# KiCad board kim-1.kicad_pcb (continued)
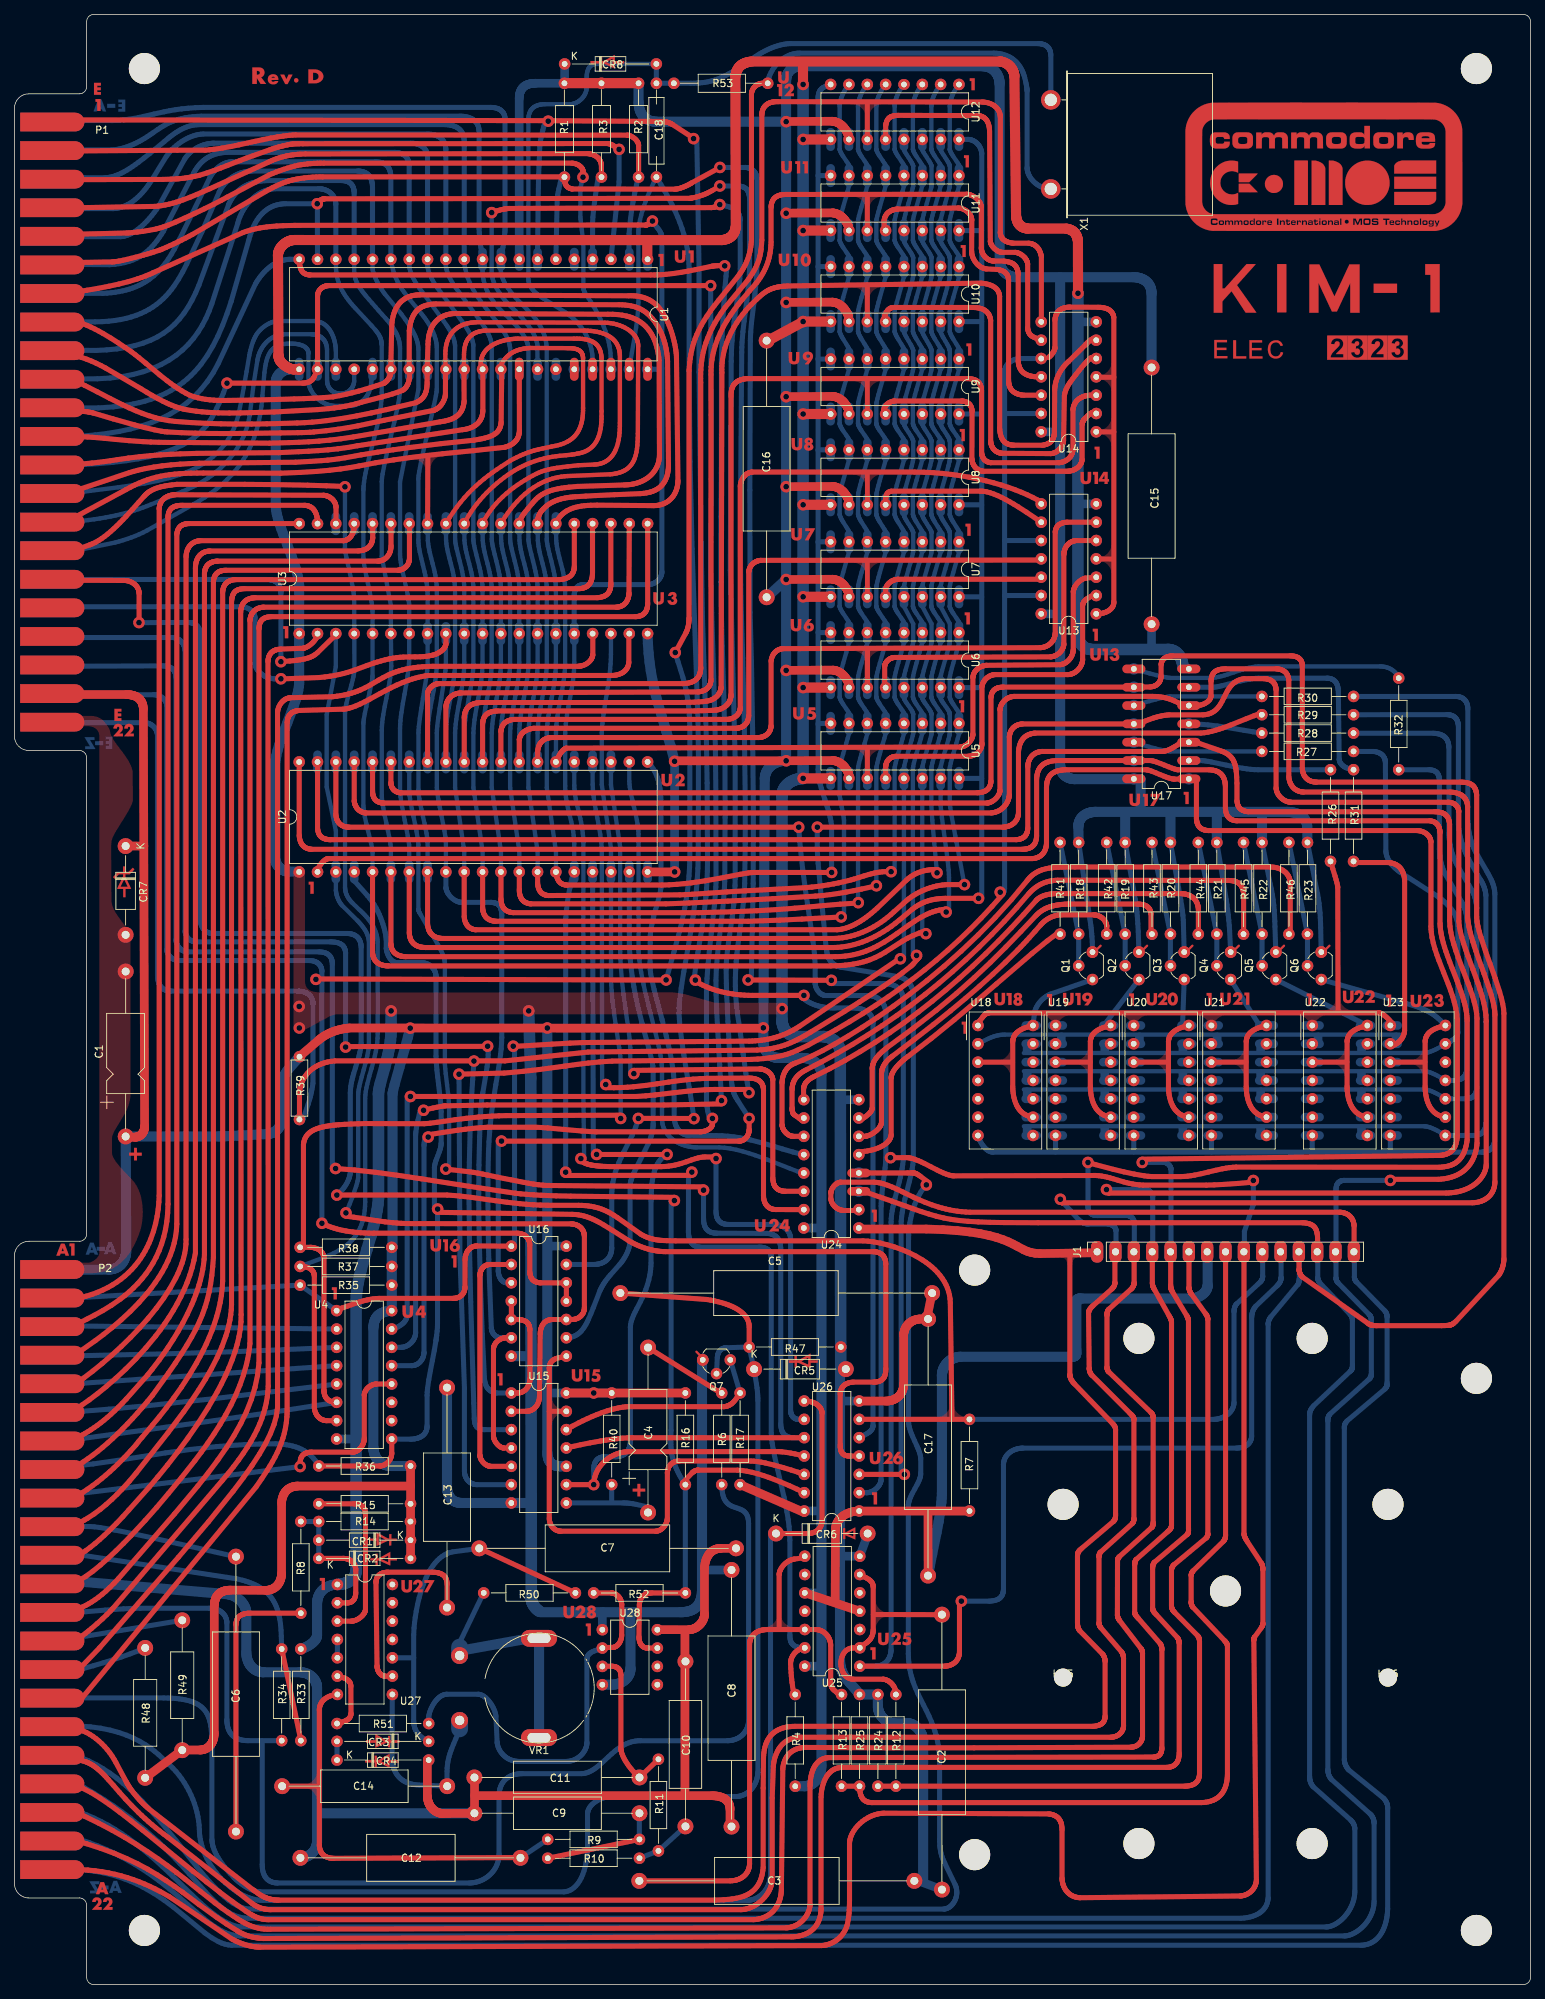
[diagram p0: board, top side]
## Routing (per net, layer and track width the routed paths; a pad name or vN(x,y) marks a point on that pad's centre or on a via; arc(x,y) is an arc through that point) (continued)
/COLG: length 555.6
  Top w0.7: 177.93,101.55 177.93,99.13 177.93,99.09 177.94,99.04 177.94,98.99 177.95,98.94 177.96,98.9 177.97,98.85 177.98,98.8 177.99,98.76 178.02,98.67 178.05,98.59 178.08,98.51 178.11,98.44 178.15,98.37 178.19,98.31 178.22,98.25 178.26,98.19 178.3,98.14 178.34,98.1 178.37,98.07 178.4,98.04 187.46,91.64 187.53,91.58 187.6,91.53 187.68,91.49 187.75,91.46 187.83,91.43 187.9,91.4 187.98,91.38 188.06,91.36 188.14,91.35 188.22,91.33 188.3,91.32 188.38,91.32 188.54,91.31 188.7,91.3 197.68,91.3 198.14,91.32 198.32,91.33 198.48,91.34 198.62,91.35 198.69,91.36 198.75,91.37 198.8,91.38 198.86,91.39 198.9,91.4 198.95,91.41 199,91.43 199.04,91.44 199.08,91.46 199.12,91.48 199.16,91.51 199.2,91.53 199.25,91.56 199.29,91.59 199.33,91.62 199.37,91.65 199.46,91.73 199.68,91.92 205.56,98.26 205.64,98.37 205.71,98.48 205.78,98.59 205.85,98.72 205.91,98.84 205.97,98.98 206.03,99.11 206.08,99.26 206.12,99.4 206.17,99.56 206.2,99.71 206.24,99.87 206.26,100.03 206.29,100.2 206.3,100.36 206.31,100.54 206.31,134.58 206.26,135.21 206.14,135.92 205.95,136.71 205.71,137.56 205.11,139.4 204.43,141.34 203.74,143.26 203.14,145.07 202.9,145.89 202.71,146.66 202.58,147.34 202.54,147.92 202.54,164.77 202.53,164.91 202.51,165.03 202.5,165.15 202.47,165.27 202.45,165.38 202.42,165.48 202.38,165.58 202.35,165.67 202.3,165.76 202.26,165.84 202.21,165.92 202.15,165.99 202.09,166.06 202.03,166.12 201.97,166.18 201.9,166.23 201.83,166.28 201.75,166.33 201.67,166.37 201.59,166.41 201.5,166.44 201.42,166.47 201.23,166.53 201.03,166.57 200.82,166.6 200.6,166.61 200.37,166.62 180.39,166.62 180.27,166.63 180.14,166.64 180.03,166.65 179.91,166.67 179.81,166.69 179.7,166.72 179.6,166.75 179.51,166.79 179.42,166.82 179.33,166.87 179.25,166.91 179.17,166.96 179.09,167.02 179.02,167.07 178.95,167.14 178.89,167.2 178.83,167.26 178.78,167.33 178.73,167.41 178.68,167.48 178.64,167.56 178.59,167.64 178.56,167.72 178.53,167.8 178.5,167.89 178.47,167.98 178.43,168.16 178.4,168.34 178.38,168.54 178.38,182.77 178.38,182.87 178.37,182.95 178.36,183.03 178.34,183.11 178.32,183.19 178.3,183.26 178.27,183.33 178.24,183.4 178.2,183.46 178.17,183.52 178.13,183.58 178.08,183.63 178.04,183.69 177.99,183.73 177.93,183.78 177.88,183.82 177.82,183.86 177.76,183.89 177.69,183.93 177.63,183.96 177.49,184.01 177.34,184.05 177.19,184.08 177.02,184.11 176.85,184.12 176.68,184.12 160.44,184.11 160.29,184.11 160.14,184.09 159.99,184.07 159.85,184.04 159.79,184.02 159.72,184 159.65,183.98 159.59,183.95 159.53,183.92 159.47,183.89 159.41,183.86 159.35,183.82 159.3,183.79 159.25,183.75 159.2,183.7 159.15,183.66 159.11,183.61 159.07,183.56 159.03,183.51 158.99,183.45 158.96,183.39 158.93,183.33 158.9,183.26 158.88,183.19 158.86,183.12 158.85,183.05 158.83,182.97 158.83,182.89 158.82,181.36 158.82,181.27 158.81,181.18 158.8,181.1 158.79,181.02 158.77,180.94 158.75,180.86 158.73,180.79 158.7,180.72 158.67,180.65 158.63,180.58 158.6,180.52 158.56,180.46 158.52,180.4 158.47,180.34 158.42,180.29 158.37,180.24 158.32,180.19 158.26,180.15 158.21,180.11 158.15,180.07 158.09,180.03 158.02,180 157.95,179.97 157.89,179.94 157.82,179.91 157.74,179.89 157.59,179.85 157.44,179.82 157.28,179.8 156.09,179.79 136.98,179.79 136.79,179.78 136.62,179.77 136.46,179.74 136.38,179.73 136.3,179.71 136.23,179.69 136.16,179.66 136.09,179.64 136.02,179.61 135.96,179.58 135.89,179.54 135.83,179.5 135.78,179.46 135.72,179.42 135.67,179.37 135.62,179.32 135.58,179.27 135.53,179.21 135.49,179.15 135.46,179.09 135.42,179.02 135.39,178.95 135.36,178.87 135.34,178.79 135.32,178.71 135.3,178.62 135.28,178.53 135.27,178.44 135.26,178.34 135.26,166.79 135.25,166.68 135.24,166.58 135.23,166.48 135.21,166.38 135.18,166.29 135.16,166.2 135.13,166.12 135.09,166.04 135.06,165.97 135.02,165.89 134.97,165.83 134.93,165.76 134.88,165.7 134.83,165.65 134.77,165.59 134.71,165.54 134.65,165.5 134.58,165.45 134.52,165.41 134.44,165.38 134.37,165.34 134.29,165.31 134.13,165.26 133.96,165.22 133.77,165.18 133.57,165.16 133.37,165.14 53.56,165.14 53.49,165.15 53.41,165.15 53.34,165.16 53.27,165.17 53.21,165.19 53.14,165.21 53.07,165.23 53.01,165.25 52.95,165.28 52.89,165.3 52.83,165.34 52.77,165.37 52.72,165.41 52.66,165.45 52.61,165.49 52.56,165.53 52.52,165.58 52.47,165.63 52.43,165.68 52.39,165.74 52.35,165.79 52.32,165.85 52.29,165.92 52.26,165.98 52.23,166.05 52.21,166.12 52.19,166.19 52.18,166.27 52.16,166.34 52.16,166.42 52.15,166.51 52.15,166.59 52.15,169.42
  Bottom w0.7: 8.16,28.14 9.67,27.3 11.1,26.45 12.45,25.6 13.72,24.76 14.92,23.91 16.04,23.07 18.1,21.41 19.92,19.79 21.53,18.23 22.95,16.73 24.23,15.33 26.44,12.86 27.43,11.81 28.38,10.92 29.33,10.2 29.81,9.9 30.29,9.66 30.79,9.46 31.31,9.32 31.84,9.22 32.4,9.19 169.92,9.19 170.33,9.22 170.73,9.28 171.1,9.35 171.45,9.45 171.78,9.56 172.08,9.7 172.36,9.86 172.49,9.94 172.61,10.03 172.73,10.13 172.84,10.22 172.94,10.33 173.04,10.43 173.13,10.55 173.21,10.66 173.29,10.78 173.36,10.91 173.42,11.03 173.47,11.16 173.52,11.3 173.56,11.44 173.6,11.58 173.62,11.73 173.64,11.88 173.65,12.03 173.65,91.46 173.65,91.51 173.66,91.57 173.66,91.63 173.67,91.69 173.68,91.76 173.69,91.82 173.71,91.89 173.73,91.96 173.75,92.03 173.78,92.1 173.81,92.17 173.84,92.24 173.88,92.31 173.93,92.39 173.98,92.45 174.03,92.52 177.75,96.99 177.78,97.04 177.81,97.08 177.84,97.13 177.86,97.19 177.88,97.24 177.9,97.3 177.92,97.36 177.93,97.42 177.94,97.48 177.95,97.54 177.96,97.59 177.97,97.65 177.97,97.7 177.97,97.75 177.97,97.8 177.97,97.85 177.97,101.55
/D: length 141.5
  Bottom w0.6: 198.2,117.66 197.89,117.86 197.54,118.07 197.12,118.3 196.89,118.42 196.65,118.54 196.4,118.65 196.16,118.74 195.92,118.82 195.7,118.88 195.48,118.92 195.38,118.93 195.28,118.94 139.82,118.94
  Bottom w0.7: 198.2,117.66 202.08,117.66 202.2,117.66 202.31,117.67 202.41,117.68 202.51,117.7 202.61,117.72 202.7,117.74 202.78,117.76 202.87,117.79 202.95,117.82 203.02,117.86 203.09,117.89 203.16,117.93 203.22,117.98 203.28,118.02 203.34,118.07 203.39,118.12 203.44,118.18 203.49,118.23 203.53,118.29 203.57,118.36 203.61,118.42 203.64,118.49 203.67,118.56 203.7,118.63 203.72,118.7 203.74,118.78 203.78,118.94 203.8,119.11 203.82,119.29 203.82,150.9 203.8,151.06 203.78,151.22 203.76,151.37 203.73,151.52 203.69,151.66 203.66,151.8 203.61,151.94 203.57,152.07 203.52,152.2 203.47,152.33 203.41,152.46 203.35,152.58 203.29,152.7 203.23,152.82 203.16,152.94 203.09,153.06 201.43,155.93 201.28,156.23 201.13,156.54 200.99,156.85 200.86,157.17 200.74,157.49 200.62,157.81 200.51,158.13 200.42,158.45 200.33,158.76 200.25,159.08 200.18,159.38 200.12,159.68 200.08,159.97 200.04,160.25 200.02,160.52 200.01,160.78 200.01,174.3 200,174.5 199.99,174.59 199.98,174.68 199.96,174.77 199.94,174.86 199.92,174.94 199.9,175.02 199.87,175.09 199.84,175.16 199.81,175.23 199.77,175.3 199.73,175.36 199.69,175.42 199.64,175.48 199.6,175.53 199.55,175.58 199.49,175.63 199.44,175.68 199.38,175.72 199.31,175.76 199.25,175.79 199.18,175.82 199.11,175.85 199.03,175.88 198.96,175.9 198.88,175.92 198.79,175.94 198.71,175.95 198.62,175.96 198.53,175.97 198.43,175.97 185.48,175.96
  Bottom w1.2: 172.61,118.63 172.61,117.67 ; 140.27,118.63 140.27,117.67 ; 186.58,118.63 186.58,117.67 ; 151.02,118.63 151.02,117.67 ; 161.84,118.63 161.84,117.67
/D0: length 317.6
  Top w0.7: 142.24,230.41 142.24,239.46 142.22,239.58 142.19,239.68 142.16,239.79 142.13,239.89 142.1,239.99 142.06,240.08 142.03,240.17 141.99,240.25 141.94,240.34 141.9,240.41 141.85,240.49 141.81,240.56 141.76,240.63 141.7,240.69 141.65,240.75 141.59,240.81 141.53,240.86 141.47,240.92 141.41,240.96 141.35,241.01 141.28,241.05 141.22,241.09 141.15,241.12 141.08,241.15 141,241.18 140.93,241.21 140.85,241.23 140.77,241.25 140.61,241.28 140.45,241.3 138.37,241.3 138.21,241.32 138.05,241.34 137.89,241.37 137.73,241.41 137.58,241.46 137.5,241.49 137.42,241.52 137.35,241.56 137.28,241.6 137.21,241.64 137.14,241.68 137.08,241.72 137.02,241.77 136.96,241.83 136.9,241.88 136.85,241.94 136.8,242 136.75,242.07 136.71,242.14 136.68,242.21 136.64,242.29 136.62,242.37 136.59,242.45 136.58,242.54 136.56,242.64 136.56,242.73 136.56,242.83 136.56,258.78 136.55,258.91 136.53,259.04 136.51,259.16 136.48,259.28 136.45,259.39 136.41,259.5 136.36,259.6 136.31,259.7 136.25,259.8 136.19,259.89 136.12,259.97 136.05,260.06 135.97,260.13 135.89,260.21 135.8,260.28 135.72,260.34 135.63,260.41 135.53,260.46 135.33,260.57 135.13,260.65 134.92,260.73 134.7,260.78 134.48,260.83 134.26,260.85 134.05,260.86 105.77,260.92 105.65,260.92 105.53,260.92 105.41,260.91 105.3,260.91 105.19,260.89 105.08,260.88 104.97,260.85 104.87,260.83 104.76,260.8 104.67,260.77 104.57,260.73 104.48,260.69 104.39,260.64 104.31,260.59 104.23,260.54 104.15,260.48 104.08,260.42 104.01,260.36 103.95,260.29 103.89,260.22 103.83,260.14 103.78,260.06 103.73,259.97 103.69,259.88 103.65,259.79 103.61,259.69 103.59,259.59 103.56,259.49 103.54,259.38 103.53,259.27 103.52,259.15 103.52,259.03 103.52,241.72 103.48,241.09 103.42,240.47 103.38,240.17 103.33,239.86 103.26,239.54 103.18,239.22 103.07,238.89 102.95,238.55 102.8,238.2 102.63,237.84 102.42,237.46 102.19,237.07 101.92,236.66 101.61,236.22 98.42,232.38 97.89,231.63 97.42,230.91 97,230.2 96.62,229.51 96.3,228.83 96.02,228.16 95.78,227.51 95.58,226.87 95.42,226.24 95.29,225.62 95.19,225 95.12,224.39 95.08,223.78 95.05,223.18 95.05,222.58 95.06,221.97 95.06,182.48 95.05,182.34 95.04,182.2 95.03,182.07 95.01,181.94 94.98,181.82 94.95,181.7 94.92,181.59 94.87,181.49 94.83,181.38 94.78,181.29 94.72,181.2 94.66,181.11 94.59,181.03 94.52,180.95 94.45,180.87 94.37,180.81 94.29,180.74 94.2,180.68 94.11,180.62 94.01,180.57 93.91,180.53 93.81,180.48 93.7,180.44 93.59,180.41 93.36,180.35 93.11,180.31 92.86,180.29 92.59,180.28 58.86,180.28 58.78,180.27 58.71,180.27 58.64,180.26 58.56,180.25 58.49,180.23 58.42,180.21 58.35,180.19 58.28,180.16 58.21,180.13 58.14,180.1 58.07,180.07 58.01,180.03 57.94,179.99 57.88,179.94 57.82,179.9 57.76,179.85 57.71,179.8 57.65,179.75 57.6,179.7 57.55,179.64 57.51,179.58 57.46,179.52 57.42,179.46 57.39,179.4 57.35,179.33 57.32,179.27 57.3,179.2 57.27,179.13 57.25,179.06 57.24,178.99 57.23,178.92 57.22,178.84 57.22,169.42 ; 69.93,223.82 69.94,215.3 69.94,215.16 69.92,215.02 69.9,214.89 69.87,214.77 69.84,214.65 69.8,214.54 69.76,214.43 69.72,214.33 69.66,214.23 69.61,214.14 69.55,214.05 69.49,213.96 69.42,213.88 69.35,213.81 69.28,213.73 69.21,213.67 69.13,213.6 69.05,213.54 68.89,213.43 68.72,213.33 68.55,213.25 68.38,213.18 68.21,213.11 68.04,213.06 67.88,213.02 63.57,212.55 59.32,212.13 57.15,211.89 54.9,211.61 52.54,211.28 50.05,210.88 47.71,210.43 46.51,210.21 45.17,210.01 43.62,209.83 41.77,209.67 39.56,209.54 36.89,209.43 26.17,209.45 25.27,209.45 24.44,209.43 23.65,209.4 22.9,209.36 22.19,209.3 21.51,209.22 20.86,209.13 20.23,209.01 19.62,208.87 19.03,208.71 18.44,208.52 17.85,208.3 17.26,208.06 16.66,207.79 16.05,207.48 15.43,207.14 7.56,202.89 ; 118.13,255.66 118.14,260.81 ; 57.23,202.43 57.26,211.88
  Bottom w0.6: 57.23,202.41 57.26,200.11 57.31,199.69 57.36,199.28 57.44,198.87 57.52,198.47 57.71,197.68 57.92,196.9 58.12,196.1 58.22,195.69 58.3,195.27 58.37,194.84 58.43,194.4 58.48,193.94 58.5,193.46 58.5,182.96 58.48,182.38 58.43,181.8 58.37,181.2 58.28,180.6 58.08,179.39 57.85,178.16 57.62,176.95 57.42,175.75 57.34,175.16 57.28,174.57 57.24,174 57.22,173.44 57.22,169.47
/D1: length 328.8
  Top w0.6: 67.49,223.88 67.17,224.07 67.33,224.37 67.5,224.65 67.67,224.92 67.86,225.17 67.96,225.29 68.06,225.4 68.17,225.51 68.28,225.62 68.39,225.72 68.51,225.82 68.63,225.91 68.76,226 68.89,226.09 69.02,226.17 69.16,226.24 69.31,226.31 69.46,226.38 69.61,226.44 69.77,226.5 69.94,226.55 70.11,226.59 70.29,226.64 70.47,226.67 70.66,226.7 70.86,226.73 71.06,226.75 71.27,226.77 71.49,226.78 76.61,226.76 76.84,226.76 77.06,226.75 77.27,226.74 77.47,226.71 77.66,226.67 77.84,226.62 78.01,226.56 78.09,226.52 78.16,226.48 78.23,226.44 78.29,226.4 78.36,226.35 78.42,226.29 78.47,226.23 78.52,226.17 78.56,226.1 78.61,226.03 78.64,225.96 78.67,225.88 78.7,225.8 78.72,225.71 78.74,225.61 78.75,225.52 78.76,225.41 78.76,225.31 78.76,218.44 78.76,218.09 78.75,217.76 78.72,217.44 78.69,217.13 78.64,216.84 78.59,216.57 78.52,216.3 78.45,216.06 78.37,215.82 78.27,215.6 78.17,215.39 78.06,215.19 77.94,215 77.82,214.82 77.68,214.66 77.54,214.5 77.39,214.36 77.24,214.22 77.07,214.1 76.9,213.98 76.72,213.87 76.54,213.77 76.16,213.59 75.75,213.44 75.33,213.31 74.89,213.21 74.43,213.12 73.2,212.87 72.59,212.73 72.27,212.65 71.94,212.56 71.59,212.45 71.24,212.33 70.86,212.19 70.47,212.04 70.05,211.85 69.61,211.65 69.14,211.41 68.64,211.15 67.4,210.34 66.8,209.93 66.21,209.51 65.62,209.09 65.05,208.64 64.49,208.17 63.94,207.68 63.39,207.17 62.85,206.62 62.32,206.03 61.8,205.41 61.28,204.74 60.77,204.03 60.26,203.26 59.76,202.44
  Top w0.7: 118.14,243.05 118.14,247.96 ; 67.5,223.87 67.41,216.49 67.4,216.33 67.37,216.18 67.34,216.03 67.3,215.89 67.26,215.76 67.21,215.64 67.15,215.52 67.08,215.41 67.01,215.3 66.92,215.2 66.84,215.11 66.74,215.02 66.64,214.94 66.54,214.86 66.3,214.72 66.04,214.59 65.76,214.48 65.45,214.38 65.13,214.29 64.78,214.21 64.4,214.14 63.6,214 59.16,213.53 54.72,212.99 52.5,212.68 50.28,212.34 48.06,211.97 45.84,211.57 44.97,211.43 44.16,211.32 43.37,211.24 42.59,211.17 40.92,211.06 38.91,210.95 25.58,210.81 24.25,210.76 22.96,210.68 21.7,210.58 20.47,210.44 19.29,210.28 18.14,210.07 17.58,209.95 17.03,209.82 16.5,209.68 15.97,209.52 7.63,206.74 ; 142.22,222.78 141.9,222.78 141.59,222.78 141.29,222.81 141.14,222.82 141,222.84 140.87,222.87 140.73,222.9 140.6,222.93 140.48,222.97 140.35,223.02 140.24,223.06 140.12,223.12 140.02,223.18 139.91,223.24 139.81,223.31 139.72,223.39 139.63,223.47 139.55,223.55 139.47,223.65 139.4,223.75 139.33,223.85 139.27,223.96 139.22,224.08 139.17,224.21 139.13,224.34 139.1,224.48 139.07,224.62 139.05,224.78 139.03,224.94 139.03,237.01 139.02,237.14 139.01,237.26 138.99,237.38 138.96,237.49 138.93,237.6 138.9,237.7 138.86,237.79 138.82,237.88 138.78,237.96 138.73,238.04 138.68,238.11 138.63,238.18 138.57,238.24 138.51,238.3 138.44,238.36 138.38,238.41 138.31,238.45 138.23,238.5 138.16,238.54 138.08,238.57 137.92,238.64 137.75,238.69 137.57,238.74 137.38,238.77 137.18,238.8 136.98,238.82 135.75,238.82 135.65,238.82 135.55,238.83 135.46,238.85 135.36,238.86 135.27,238.89 135.18,238.91 135.09,238.95 135.01,238.98 134.93,239.02 134.85,239.07 134.77,239.12 134.7,239.17 134.62,239.23 134.56,239.29 134.49,239.35 134.43,239.41 134.37,239.48 134.31,239.55 134.26,239.63 134.21,239.7 134.16,239.78 134.12,239.86 134.08,239.94 134.05,240.03 134.02,240.11 133.99,240.2 133.97,240.29 133.95,240.38 133.94,240.47 133.93,240.56 133.92,240.65 133.92,240.74 133.92,246.29 133.92,246.37 133.9,246.46 133.88,246.55 133.86,246.63 133.83,246.72 133.79,246.8 133.75,246.88 133.71,246.96 133.66,247.04 133.6,247.12 133.54,247.2 133.48,247.27 133.35,247.41 133.2,247.54 133.04,247.66 132.88,247.77 132.71,247.87 132.53,247.94 132.44,247.98 132.35,248.01 132.26,248.03 132.17,248.05 132.09,248.06 132,248.07 131.91,248.08 131.82,248.08 106.84,248.05 106.62,248.05 106.4,248.03 106.2,248 106.1,247.98 106.01,247.95 105.92,247.92 105.83,247.89 105.75,247.86 105.67,247.82 105.59,247.78 105.52,247.74 105.44,247.69 105.38,247.64 105.31,247.58 105.25,247.52 105.19,247.46 105.14,247.39 105.09,247.32 105.05,247.25 105,247.17 104.96,247.08 104.93,247 104.9,246.91 104.87,246.81 104.85,246.71 104.83,246.6 104.82,246.5 104.81,246.38 104.8,246.26 104.8,241.42 104.78,241.04 104.76,240.66 104.71,240.29 104.66,239.93 104.59,239.58 104.51,239.23 104.42,238.88 104.31,238.54 104.18,238.2 104.04,237.86 103.88,237.53 103.71,237.2 103.51,236.86 103.3,236.53 103.08,236.19 102.83,235.85 101.85,234.73 100.78,233.47 100.24,232.8 99.71,232.09 99.19,231.35 98.69,230.57 98.22,229.76 97.79,228.92 97.4,228.04 97.08,227.12 96.81,226.16 96.7,225.67 96.62,225.17 96.55,224.66 96.51,224.14 96.48,223.61 96.48,223.07 96.48,180.82 96.47,180.65 96.44,180.49 96.4,180.33 96.38,180.25 96.35,180.18 96.32,180.11 96.29,180.04 96.25,179.97 96.21,179.9 96.17,179.84 96.12,179.78 96.07,179.72 96.01,179.66 95.96,179.61 95.89,179.55 95.83,179.51 95.76,179.46 95.69,179.41 95.61,179.37 95.54,179.33 95.45,179.3 95.37,179.27 95.28,179.24 95.18,179.21 95.09,179.19 94.99,179.17 94.88,179.15 94.77,179.13 94.66,179.12 61.88,178.98 61.76,178.98 61.64,178.96 61.53,178.95 61.41,178.93 61.31,178.9 61.2,178.87 61.1,178.84 61,178.8 60.91,178.76 60.82,178.71 60.73,178.66 60.65,178.61 60.57,178.55 60.49,178.49 60.42,178.43 60.35,178.37 60.28,178.3 60.22,178.23 60.16,178.15 60.11,178.08 60.06,178 60.01,177.92 59.97,177.83 59.93,177.75 59.9,177.66 59.86,177.57 59.84,177.48 59.81,177.39 59.79,177.3 59.78,177.21 59.77,177.11 59.76,177.01 59.76,169.42
  Bottom w0.6: 59.75,202.41 59.79,200.11 59.83,199.69 59.89,199.28 59.96,198.87 60.05,198.47 60.24,197.68 60.44,196.9 60.65,196.1 60.74,195.69 60.82,195.27 60.9,194.84 60.96,194.4 61,193.94 61.03,193.46 61.03,182.96 61,182.38 60.96,181.8 60.89,181.2 60.81,180.6 60.61,179.39 60.38,178.16 60.16,176.95 59.96,175.75 59.88,175.16 59.82,174.57 59.78,174 59.76,173.44 59.76,169.47
/D2: length 336
  Top w0.6: 62.32,202.45 62.61,203.02 62.93,203.58 63.28,204.13 63.66,204.67 64.06,205.2 64.48,205.71 64.93,206.21 65.39,206.7 65.86,207.17 66.35,207.62 66.84,208.05 67.34,208.45 67.84,208.84 68.34,209.2 68.83,209.53 69.32,209.84 69.7,210.05 70.06,210.24 70.42,210.42 70.77,210.58 71.12,210.74 71.46,210.87 72.12,211.12 72.75,211.31 73.36,211.47 73.94,211.6 74.49,211.7 75.02,211.77 75.51,211.83 76.43,211.92 77.24,212.01 77.6,212.06 77.93,212.14 78.26,212.19 78.56,212.27 78.85,212.36 79.11,212.47 79.35,212.59 79.58,212.73 79.79,212.88 79.98,213.05 80.15,213.22 80.31,213.41 80.45,213.6 80.58,213.8 80.7,214.01 80.8,214.23 80.89,214.45 80.97,214.67 81.1,215.13 81.19,215.59 81.25,216.05 81.29,216.49 81.31,216.92 81.32,217.32 81.32,217.99 81.32,225.28 81.31,225.49 81.29,225.7 81.26,225.9 81.23,226.08 81.18,226.26 81.13,226.42 81.07,226.58 81,226.72 80.93,226.86 80.85,226.99 80.76,227.11 80.66,227.22 80.55,227.32 80.44,227.42 80.33,227.5 80.2,227.58 80.07,227.66 79.94,227.72 79.8,227.78 79.65,227.84 79.34,227.92 79.01,227.99 78.66,228.04 78.29,228.07 77.91,228.08 77.51,228.08 69.71,228.08 69.43,228.06 69.15,228.04 68.87,228.01 68.6,227.98 68.34,227.93 68.08,227.88 67.83,227.82 67.58,227.76 67.34,227.69 67.11,227.61 66.89,227.52 66.68,227.43 66.47,227.33 66.27,227.22 66.08,227.11 65.91,226.99 65.74,226.86 65.58,226.73 65.43,226.59 65.29,226.44 65.17,226.29 65.05,226.13 64.95,225.97 64.86,225.8 64.79,225.62 64.72,225.44 64.67,225.25 64.63,225.06 64.61,224.86 64.6,224.66 64.61,224.44 64.63,224.23 64.89,223.94
  Top w0.7: 64.88,223.77 64.88,218.13 64.87,217.96 64.86,217.8 64.83,217.64 64.8,217.49 64.76,217.35 64.72,217.21 64.67,217.08 64.61,216.96 64.55,216.84 64.48,216.72 64.41,216.62 64.33,216.52 64.25,216.42 64.16,216.33 64.07,216.24 63.97,216.16 63.87,216.08 63.76,216.01 63.66,215.95 63.55,215.88 63.32,215.77 63.08,215.68 62.83,215.6 62.57,215.54 62.32,215.49 62.06,215.45 47.54,213.24 46.18,212.99 44.81,212.81 43.45,212.66 42.09,212.56 40.73,212.47 39.37,212.4 36.65,212.28 25.28,212.18 22.98,212.11 21.67,212.05 20.29,211.97 18.84,211.86 17.33,211.71 15.79,211.53 14.23,211.3 13.31,211.16 12.43,211.03 11.56,210.93 10.73,210.83 9.12,210.68 7.58,210.56 ; 118.14,230.42 118.14,235.49 ; 149.73,228.15 149.68,228.14 149.63,228.14 149.59,228.13 149.54,228.12 149.5,228.1 149.45,228.09 149.36,228.05 149.27,228.01 149.18,227.96 149.09,227.9 149,227.84 148.91,227.77 148.82,227.7 148.73,227.62 148.64,227.53 148.55,227.45 148.47,227.36 148.38,227.26 148.29,227.16 146.01,224.91 145.93,224.84 145.72,224.64 145.58,224.49 145.42,224.31 145.25,224.1 145.08,223.86 144.9,223.59 144.73,223.29 144.57,222.97 144.42,222.62 144.29,222.24 144.24,222.05 144.19,221.84 144.15,221.63 144.12,221.42 144.1,221.2 144.09,220.97 144.05,215.34 144.05,215.22 144.05,215.11 144.05,215 144.04,214.89 144.02,214.79 144.01,214.69 143.99,214.59 143.96,214.5 143.94,214.41 143.9,214.33 143.87,214.25 143.83,214.17 143.79,214.1 143.74,214.03 143.69,213.96 143.64,213.89 143.58,213.83 143.53,213.78 143.46,213.72 143.4,213.67 143.33,213.62 143.26,213.58 143.18,213.54 143.1,213.5 143.02,213.46 142.94,213.43 142.85,213.4 142.76,213.38 142.67,213.36 142.57,213.34 142.38,213.3 138.45,213.31 138.32,213.31 138.19,213.32 138.07,213.34 137.95,213.36 137.84,213.39 137.74,213.42 137.63,213.46 137.54,213.5 137.45,213.55 137.36,213.6 137.28,213.65 137.2,213.71 137.12,213.77 137.06,213.84 136.99,213.92 136.93,213.99 136.87,214.07 136.82,214.16 136.77,214.25 136.73,214.34 136.69,214.43 136.65,214.54 136.59,214.75 136.54,214.97 136.5,215.21 136.47,215.46 136.46,215.73 136.46,233.95 136.44,234.12 136.4,234.29 136.35,234.45 136.28,234.6 136.19,234.75 136.09,234.89 135.97,235.02 135.83,235.14 135.67,235.25 135.49,235.36 135.29,235.45 135.07,235.54 134.82,235.61 134.55,235.67 134.25,235.72 133.93,235.77 107.08,235.37 106.66,235.35 106.46,235.33 106.28,235.31 106.09,235.28 105.92,235.26 105.75,235.23 105.59,235.19 105.43,235.16 105.29,235.12 105.14,235.07 105,235.03 104.87,234.98 104.74,234.93 104.62,234.87 104.5,234.82 104.38,234.75 104.26,234.69 104.04,234.56 103.83,234.41 103.62,234.25 103.42,234.08 103.22,233.91 103.01,233.72 102.8,233.52 102.08,232.82 101.69,232.4 101.28,231.94 100.86,231.43 100.45,230.88 100.04,230.28 99.66,229.65 99.29,228.98 98.95,228.28 98.66,227.54 98.4,226.76 98.2,225.96 98.06,225.12 98.02,224.69 97.99,224.25 97.98,223.81 97.99,223.36 97.88,179.83 97.88,179.75 97.87,179.66 97.86,179.58 97.85,179.5 97.83,179.43 97.81,179.35 97.78,179.28 97.76,179.2 97.73,179.13 97.7,179.06 97.66,179 97.62,178.93 97.58,178.87 97.54,178.81 97.5,178.75 97.45,178.69 97.36,178.58 97.25,178.48 97.14,178.38 97.03,178.29 96.91,178.21 96.79,178.14 96.67,178.08 96.55,178.02 96.4,177.96 96.22,177.91 96.02,177.87 95.81,177.83 95.32,177.77 94.78,177.73 94.2,177.7 93.59,177.68 92.33,177.65 64.66,177.66 64.44,177.64 64.22,177.62 64.01,177.58 63.8,177.54 63.6,177.47 63.5,177.44 63.41,177.4 63.31,177.35 63.23,177.31 63.14,177.25 63.06,177.2 62.98,177.14 62.9,177.07 62.83,177 62.76,176.92 62.69,176.84 62.63,176.75 62.58,176.66 62.53,176.56 62.48,176.46 62.44,176.35 62.4,176.23 62.37,176.11 62.34,175.98 62.32,175.84 62.31,175.7 62.3,175.55 62.3,169.42
  Bottom w0.6: 62.3,202.41 62.33,200.11 62.37,199.69 62.43,199.28 62.51,198.87 62.59,198.47 62.78,197.68 62.99,196.9 63.19,196.1 63.28,195.69 63.37,195.27 63.44,194.84 63.5,194.4 63.55,193.94 63.57,193.46 63.57,182.96 63.55,182.38 63.5,181.8 63.44,181.2 63.35,180.6 63.15,179.39 62.93,178.16 62.7,176.95 62.51,175.75 62.43,175.16 62.37,174.57 62.33,174 62.31,173.44 62.31,169.47
/D3: length 315.1
  Top w0.6: 62.25,223.85 62.27,225.85 62.28,226.19 62.31,226.52 62.35,226.84 62.42,227.14 62.47,227.29 62.51,227.43 62.57,227.56 62.63,227.7 62.7,227.82 62.77,227.95 62.85,228.07 62.93,228.18 63.02,228.29 63.12,228.39 63.23,228.49 63.34,228.58 63.46,228.66 63.59,228.74 63.72,228.82 63.86,228.89 64.01,228.95 64.17,229 64.34,229.05 64.51,229.09 64.69,229.13 64.88,229.16 65.08,229.18 65.29,229.19 79,229.19 79.42,229.18 79.85,229.14 80.27,229.09 80.69,229.02 81.1,228.93 81.49,228.81 81.87,228.66 82.22,228.49 82.39,228.39 82.56,228.28 82.71,228.17 82.86,228.04 83,227.91 83.13,227.77 83.25,227.62 83.36,227.46 83.46,227.29 83.56,227.11 83.64,226.92 83.71,226.72 83.76,226.51 83.81,226.29 83.84,226.06 83.86,225.82 83.86,216.38 83.86,215.95 83.85,215.5 83.82,215.03 83.77,214.56 83.69,214.09 83.59,213.62 83.46,213.16 83.3,212.72 83.2,212.51 83.1,212.31 82.98,212.11 82.85,211.93 82.72,211.75 82.56,211.58 82.4,211.42 82.23,211.28 82.04,211.14 81.84,211.02 81.62,210.92 81.39,210.83 81.15,210.75 80.89,210.69 80.61,210.65 80.32,210.63 78.12,210.53 76.64,210.37 75.87,210.28 75.11,210.17 74.73,210.1 74.35,210.03 73.98,209.94 73.62,209.85 73.26,209.74 72.92,209.62 72.59,209.49 72.27,209.34 71.76,209.07 71.25,208.79 70.72,208.48 70.2,208.15 69.67,207.8 69.15,207.43 68.63,207.03 68.13,206.61 67.64,206.17 67.16,205.7 66.7,205.21 66.27,204.7 65.86,204.17 65.49,203.61 65.15,203.04 64.84,202.44
  Top w0.677: 118.14,217.61 118.14,222.51
  Top w0.7: 7.68,214.5 8.52,214.5 9.33,214.48 10.12,214.45 10.9,214.4 12.47,214.26 14.1,214.1 15.86,213.94 17.81,213.8 18.88,213.75 20.02,213.71 21.24,213.69 22.56,213.69 35.31,213.59 38.04,213.66 39.39,213.71 40.77,213.78 42.19,213.88 43.67,214.01 45.25,214.2 46.94,214.45 58.97,216.55 59.32,216.6 59.66,216.67 59.98,216.74 60.28,216.83 60.56,216.94 60.82,217.06 60.94,217.12 61.06,217.19 61.18,217.27 61.28,217.35 61.39,217.43 61.49,217.52 61.58,217.62 61.67,217.72 61.75,217.82 61.83,217.93 61.9,218.05 61.96,218.18 62.02,218.31 62.08,218.44 62.13,218.59 62.17,218.74 62.21,218.9 62.24,219.06 62.26,219.23 62.28,219.41 62.27,223.04 62.26,223.84 ; 149.83,220.27 149.04,220.25 148.8,220.23 148.68,220.21 148.56,220.19 148.45,220.16 148.33,220.14 148.22,220.1 148.12,220.07 148.01,220.03 147.91,219.99 147.81,219.94 147.71,219.89 147.62,219.84 147.53,219.78 147.45,219.72 147.36,219.66 147.28,219.59 147.21,219.52 147.14,219.45 147.07,219.37 147.01,219.29 146.95,219.21 146.89,219.12 146.84,219.03 146.8,218.94 146.76,218.85 146.72,218.75 146.69,218.64 146.66,218.54 146.64,218.43 146.63,218.32 146.62,218.2 146.62,212.77 146.61,212.67 146.6,212.57 146.59,212.48 146.57,212.39 146.54,212.3 146.52,212.21 146.48,212.12 146.45,212.04 146.41,211.96 146.36,211.88 146.31,211.8 146.26,211.73 146.2,211.65 146.15,211.58 146.08,211.52 146.02,211.45 145.95,211.39 145.88,211.33 145.8,211.28 145.72,211.23 145.64,211.18 145.56,211.13 145.47,211.09 145.38,211.05 145.29,211.02 145.2,210.99 145.11,210.96 145.01,210.94 144.91,210.92 144.81,210.9 144.71,210.89 144.6,210.88 135.26,210.88 135.19,210.89 135.11,210.9 135.05,210.92 134.98,210.93 134.91,210.95 134.85,210.98 134.78,211 134.72,211.03 134.67,211.06 134.61,211.09 134.56,211.13 134.5,211.17 134.45,211.21 134.41,211.25 134.36,211.3 134.32,211.35 134.28,211.4 134.24,211.45 134.2,211.5 134.17,211.56 134.14,211.62 134.11,211.68 134.08,211.74 134.06,211.81 134.03,211.87 134.02,211.94 134,212.01 133.99,212.08 133.97,212.15 133.97,212.23 133.96,212.3 133.96,212.38 133.96,220.78 133.95,220.89 133.95,221 133.93,221.11 133.92,221.22 133.9,221.31 133.87,221.41 133.85,221.5 133.81,221.58 133.78,221.66 133.74,221.74 133.7,221.82 133.65,221.88 133.6,221.95 133.55,222.01 133.49,222.07 133.43,222.12 133.37,222.17 133.3,222.22 133.23,222.26 133.16,222.3 133.08,222.34 133,222.37 132.92,222.4 132.83,222.43 132.65,222.48 132.47,222.51 132.27,222.53 132.06,222.54 101.53,222.54 101.38,222.53 101.23,222.51 101.09,222.49 100.95,222.47 100.82,222.44 100.7,222.4 100.58,222.36 100.46,222.32 100.36,222.28 100.25,222.22 100.16,222.17 100.06,222.11 99.98,222.05 99.9,221.98 99.82,221.91 99.75,221.83 99.68,221.75 99.62,221.66 99.57,221.58 99.52,221.48 99.47,221.39 99.43,221.28 99.39,221.18 99.36,221.07 99.33,220.96 99.31,220.84 99.29,220.72 99.27,220.59 99.26,220.33 99.26,220.05 99.26,178.79 99.25,178.68 99.25,178.57 99.23,178.46 99.22,178.36 99.2,178.26 99.17,178.16 99.15,178.07 99.12,177.98 99.08,177.9 99.05,177.82 99.01,177.74 98.96,177.66 98.92,177.59 98.87,177.52 98.82,177.46 98.76,177.4 98.71,177.33 98.65,177.28 98.59,177.22 98.53,177.17 98.4,177.07 98.27,176.98 98.13,176.9 97.99,176.83 97.85,176.77 97.7,176.71 97.59,176.68 97.45,176.65 97.29,176.62 97.11,176.6 96.7,176.57 96.24,176.55 95.24,176.52 94.72,176.51 94.22,176.48 66.89,176.48 66.66,176.47 66.45,176.44 66.25,176.41 66.15,176.38 66.06,176.36 65.97,176.33 65.88,176.3 65.8,176.26 65.71,176.23 65.64,176.18 65.56,176.14 65.49,176.09 65.42,176.04 65.36,175.98 65.3,175.93 65.24,175.86 65.19,175.8 65.14,175.73 65.09,175.65 65.05,175.57 65.01,175.49 64.98,175.4 64.95,175.31 64.92,175.22 64.9,175.12 64.88,175.01 64.86,174.9 64.85,174.79 64.84,174.67 64.84,169.42